# Altium PCB PCB1.PcbDoc (part 3 of 4)
Units mm, origin at the board's own origin, x right, y up, seen from the top; angles counter-clockwise.
Board outline 182 x 106 mm, 2 copper layers (Top Layer, Bottom Layer); 1027 components, 737 nets, 3417 pads, 0 vias.
Unrouted connection lines stored in the file: 2451.
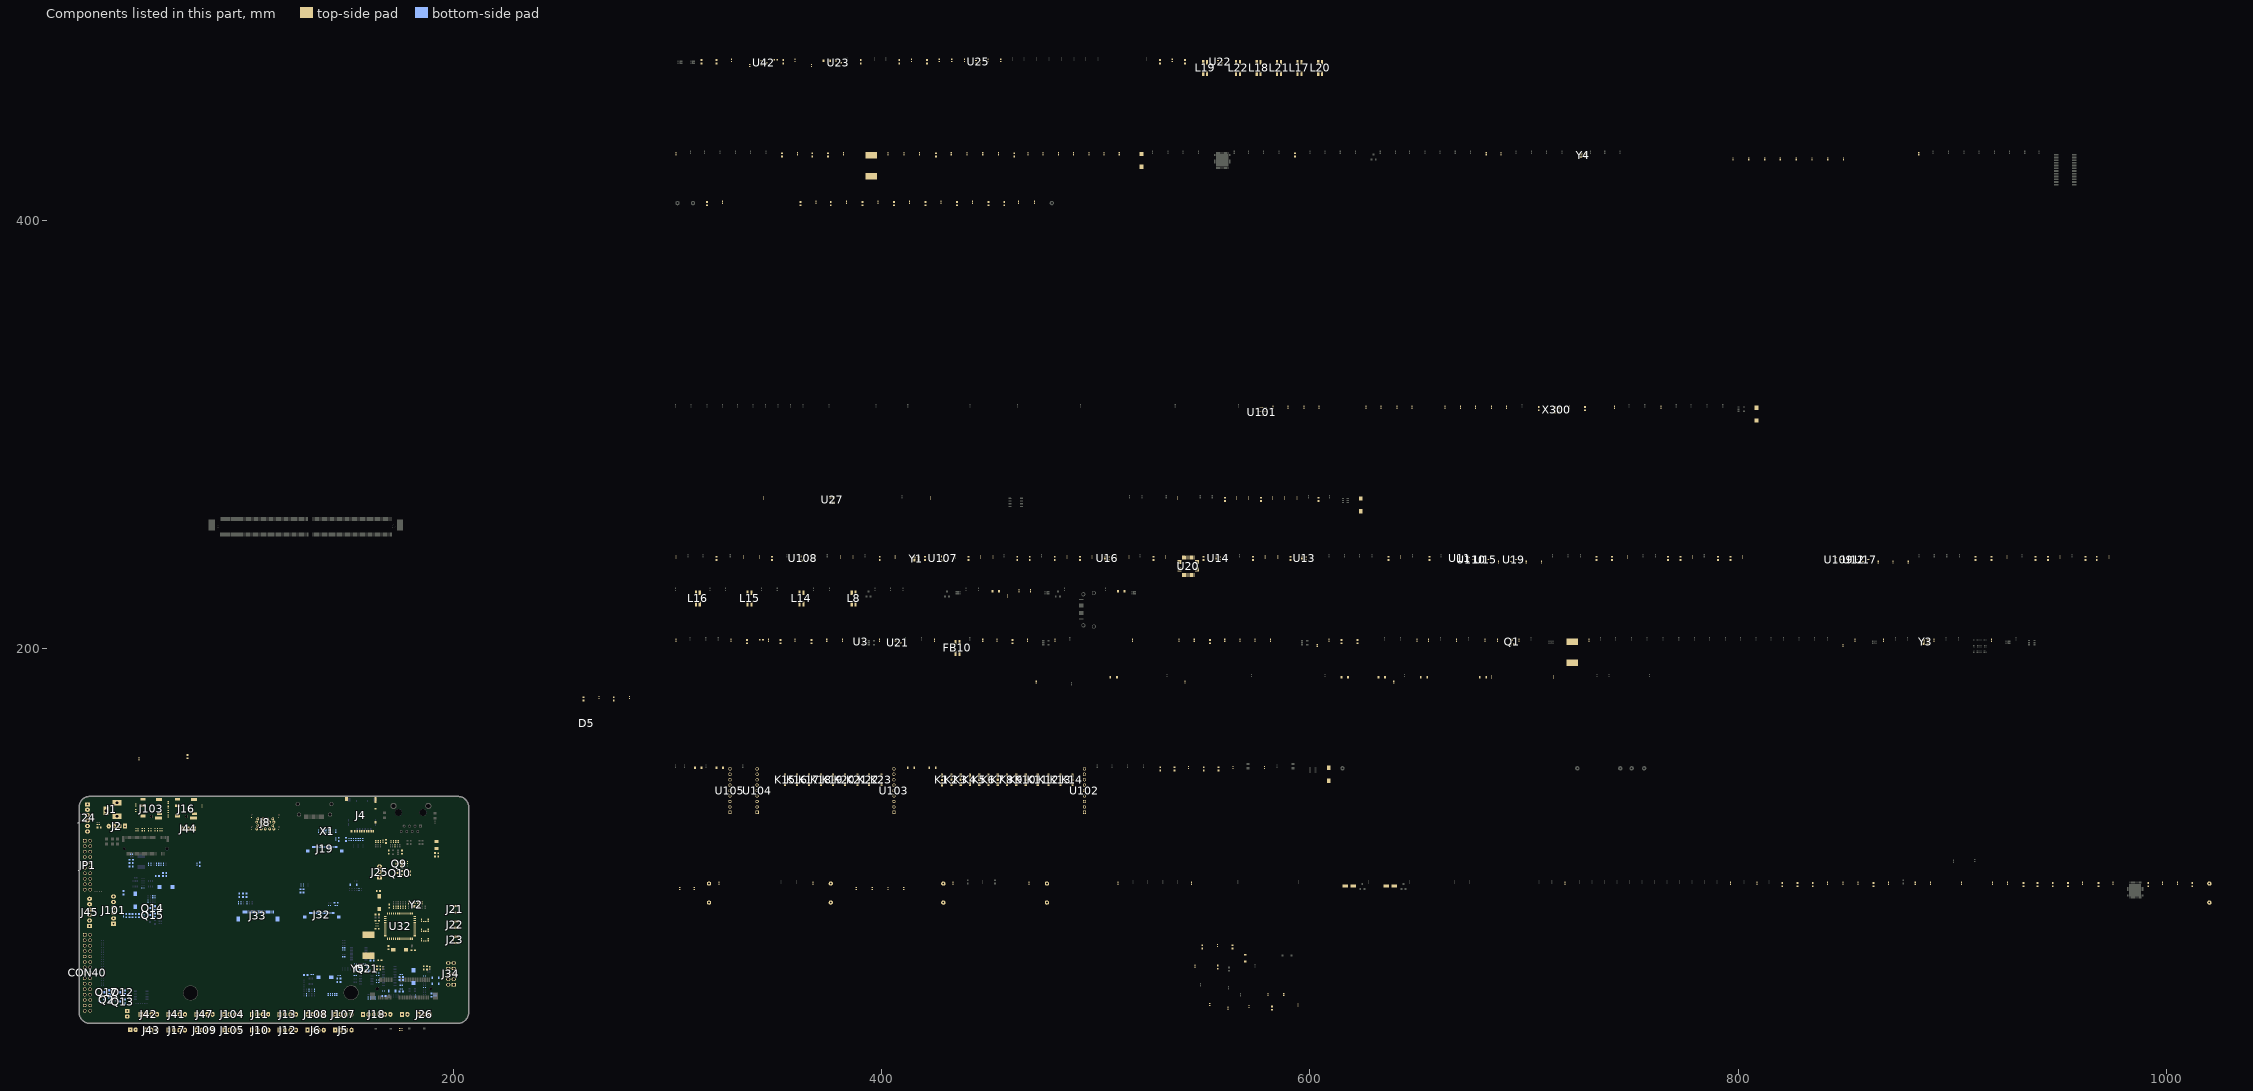
[diagram p3: the components of this part, seen from the top]

## Footprints (in the part's own frame and the unit in brackets; to place one, negate y for a bottom-side part, rotate by r counter-clockwise, add the part's x,y. Pads: shape width x height; smd on the part's side, far side on the other; paste and mask are expansions set on the pad) (continued)
*GCT_USB1100-XX-X_REVC [mm]
  round 1.3 hole 0.7: 1(-3.5,-1.5) 2(-1,-1.5) 3(1,-1.5) 4(3.5,-1.5) 5(4,0) 6(2,0) 7(0,0) 8(-2,0) 9(-4,0) 10(-3.5,1.7) 11(-1,1.7) 12(1,1.7) 13(3.5,1.7) 14(4,3.2) 15(2,3.2) 16(0,3.2) 17(-2,3.2) 18(-4,3.2)
  rect 0.1x0.1 smd: 19(6.477,-2.159) 20(6.35,3.429) 21(-6.35,-2.159) 22(-6.35,3.429)
  round 0.6 hole 0.6 unplated: None(-6.4,2.18) None(-6.4,-3.5) None(6.4,2.18) None(6.4,-3.5)
  Top Layer region: -6.7,2.18 -6.7,3.03 -6.7,3.038 -6.699,3.054 -6.698,3.069 -6.695,3.085 -6.692,3.1 -6.688,3.115 -6.683,3.13 -6.677,3.145 -6.671,3.159 -6.664,3.173 -6.656,3.187 -6.647,3.2 -6.638,3.213 -6.628,3.225 -6.618,3.237 -6.607,3.248 -6.595,3.258 -6.583,3.268 -6.57,3.277 -6.557,3.286 -6.543,3.294 -6.529,3.301 -6.515,3.307 -6.5,3.313 -6.485,3.318 -6.47,3.322 -6.455,3.325 -6.439,3.328 -6.424,3.329 -6.408,3.33 -6.4,3.33 -6.392,3.33 -6.376,3.329 -6.361,3.328 -6.345,3.325 -6.33,3.322 -6.315,3.318 -6.3,3.313 -6.285,3.307 -6.271,3.301 -6.257,3.294 -6.243,3.286 -6.23,3.277 -6.217,3.268 -6.205,3.258 -6.193,3.248 -6.182,3.237 -6.172,3.225 -6.162,3.213 -6.153,3.2 -6.144,3.187 -6.136,3.173 -6.129,3.159 -6.123,3.145 -6.117,3.13 -6.112,3.115 -6.108,3.1 -6.105,3.085 -6.102,3.069 -6.101,3.054 -6.1,3.038 -6.1,3.03 -6.1,2.18 -5.8,2.18 -5.8,2.98 -5.8,3.08 -5.8,3.096 -5.802,3.127 -5.805,3.158 -5.81,3.189 -5.816,3.22 -5.825,3.25 -5.834,3.28 -5.845,3.31 -5.858,3.338 -5.873,3.366 -5.888,3.394 -5.905,3.42 -5.924,3.445 -5.944,3.47 -5.965,3.493 -5.987,3.515 -6.01,3.536 -6.035,3.556 -6.06,3.575 -6.086,3.592 -6.114,3.607 -6.142,3.622 -6.17,3.635 -6.2,3.646 -6.23,3.655 -6.26,3.664 -6.291,3.67 -6.322,3.675 -6.353,3.678 -6.384,3.68 -6.4,3.68 -6.416,3.68 -6.447,3.678 -6.478,3.675 -6.509,3.67 -6.54,3.664 -6.57,3.655 -6.6,3.646 -6.63,3.635 -6.658,3.622 -6.686,3.607 -6.714,3.592 -6.74,3.575 -6.765,3.556 -6.79,3.536 -6.813,3.515 -6.835,3.493 -6.856,3.47 -6.876,3.445 -6.895,3.42 -6.912,3.394 -6.927,3.366 -6.942,3.338 -6.955,3.31 -6.966,3.28 -6.975,3.25 -6.984,3.22 -6.99,3.189 -6.995,3.158 -6.998,3.127 -7,3.096 -7,3.08 -7,2.18 -6.7,2.18
  Top Layer region: -6.1,2.18 -6.1,1.33 -6.1,1.322 -6.101,1.306 -6.102,1.291 -6.105,1.275 -6.108,1.26 -6.112,1.245 -6.117,1.23 -6.123,1.215 -6.129,1.201 -6.136,1.187 -6.144,1.173 -6.153,1.16 -6.162,1.147 -6.172,1.135 -6.182,1.123 -6.193,1.112 -6.205,1.102 -6.217,1.092 -6.23,1.083 -6.243,1.074 -6.257,1.066 -6.271,1.059 -6.285,1.053 -6.3,1.047 -6.315,1.042 -6.33,1.038 -6.345,1.035 -6.361,1.032 -6.376,1.031 -6.392,1.03 -6.4,1.03 -6.408,1.03 -6.424,1.031 -6.439,1.032 -6.455,1.035 -6.47,1.038 -6.485,1.042 -6.5,1.047 -6.515,1.053 -6.529,1.059 -6.543,1.066 -6.557,1.074 -6.57,1.083 -6.583,1.092 -6.595,1.102 -6.607,1.112 -6.618,1.123 -6.628,1.135 -6.638,1.147 -6.647,1.16 -6.656,1.173 -6.664,1.187 -6.671,1.201 -6.677,1.215 -6.683,1.23 -6.688,1.245 -6.692,1.26 -6.695,1.275 -6.698,1.291 -6.699,1.306 -6.7,1.322 -6.7,1.33 -6.7,2.18 -7,2.18 -7,1.38 -7,1.28 -7,1.264 -6.998,1.233 -6.995,1.202 -6.99,1.171 -6.984,1.14 -6.975,1.11 -6.966,1.08 -6.955,1.05 -6.942,1.022 -6.927,0.994 -6.912,0.966 -6.895,0.94 -6.876,0.915 -6.856,0.89 -6.835,0.867 -6.813,0.845 -6.79,0.824 -6.765,0.804 -6.74,0.785 -6.714,0.768 -6.686,0.753 -6.658,0.738 -6.63,0.725 -6.6,0.714 -6.57,0.705 -6.54,0.696 -6.509,0.69 -6.478,0.685 -6.447,0.682 -6.416,0.68 -6.4,0.68 -6.384,0.68 -6.353,0.682 -6.322,0.685 -6.291,0.69 -6.26,0.696 -6.23,0.705 -6.2,0.714 -6.17,0.725 -6.142,0.738 -6.114,0.753 -6.086,0.768 -6.06,0.785 -6.035,0.804 -6.01,0.824 -5.987,0.845 -5.965,0.867 -5.944,0.89 -5.924,0.915 -5.905,0.94 -5.888,0.966 -5.873,0.994 -5.858,1.022 -5.845,1.05 -5.834,1.08 -5.825,1.11 -5.816,1.14 -5.81,1.171 -5.805,1.202 -5.802,1.233 -5.8,1.264 -5.8,1.28 -5.8,2.18 -6.1,2.18
  Top Layer region: 6.1,2.18 6.1,3.03 6.1,3.038 6.101,3.054 6.102,3.069 6.105,3.085 6.108,3.1 6.112,3.115 6.117,3.13 6.123,3.145 6.129,3.159 6.136,3.173 6.144,3.187 6.153,3.2 6.162,3.213 6.172,3.225 6.182,3.237 6.193,3.248 6.205,3.258 6.217,3.268 6.23,3.277 6.243,3.286 6.257,3.294 6.271,3.301 6.285,3.307 6.3,3.313 6.315,3.318 6.33,3.322 6.345,3.325 6.361,3.328 6.376,3.329 6.392,3.33 6.4,3.33 6.408,3.33 6.424,3.329 6.439,3.328 6.455,3.325 6.47,3.322 6.485,3.318 6.5,3.313 6.515,3.307 6.529,3.301 6.543,3.294 6.557,3.286 6.57,3.277 6.583,3.268 6.595,3.258 6.607,3.248 6.618,3.237 6.628,3.225 6.638,3.213 6.647,3.2 6.656,3.187 6.664,3.173 6.671,3.159 6.677,3.145 6.683,3.13 6.688,3.115 6.692,3.1 6.695,3.085 6.698,3.069 6.699,3.054 6.7,3.038 6.7,3.03 6.7,2.18 7,2.18 7,2.98 7,3.08 7,3.096 6.998,3.127 6.995,3.158 6.99,3.189 6.984,3.22 6.975,3.25 6.966,3.28 6.955,3.31 6.942,3.338 6.927,3.366 6.912,3.394 6.895,3.42 6.876,3.445 6.856,3.47 6.835,3.493 6.813,3.515 6.79,3.536 6.765,3.556 6.74,3.575 6.714,3.592 6.686,3.607 6.658,3.622 6.63,3.635 6.6,3.646 6.57,3.655 6.54,3.664 6.509,3.67 6.478,3.675 6.447,3.678 6.416,3.68 6.4,3.68 6.384,3.68 6.353,3.678 6.322,3.675 6.291,3.67 6.26,3.664 6.23,3.655 6.2,3.646 6.17,3.635 6.142,3.622 6.114,3.607 6.086,3.592 6.06,3.575 6.035,3.556 6.01,3.536 5.987,3.515 5.965,3.493 5.944,3.47 5.924,3.445 5.905,3.42 5.888,3.394 5.873,3.366 5.858,3.338 5.845,3.31 5.834,3.28 5.825,3.25 5.816,3.22 5.81,3.189 5.805,3.158 5.802,3.127 5.8,3.096 5.8,3.08 5.8,2.18 6.1,2.18
  Top Layer region: 6.7,2.18 6.7,1.33 6.7,1.322 6.699,1.306 6.698,1.291 6.695,1.275 6.692,1.26 6.688,1.245 6.683,1.23 6.677,1.215 6.671,1.201 6.664,1.187 6.656,1.173 6.647,1.16 6.638,1.147 6.628,1.135 6.618,1.123 6.607,1.112 6.595,1.102 6.583,1.092 6.57,1.083 6.557,1.074 6.543,1.066 6.529,1.059 6.515,1.053 6.5,1.047 6.485,1.042 6.47,1.038 6.455,1.035 6.439,1.032 6.424,1.031 6.408,1.03 6.4,1.03 6.392,1.03 6.376,1.031 6.361,1.032 6.345,1.035 6.33,1.038 6.315,1.042 6.3,1.047 6.285,1.053 6.271,1.059 6.257,1.066 6.243,1.074 6.23,1.083 6.217,1.092 6.205,1.102 6.193,1.112 6.182,1.123 6.172,1.135 6.162,1.147 6.153,1.16 6.144,1.173 6.136,1.187 6.129,1.201 6.123,1.215 6.117,1.23 6.112,1.245 6.108,1.26 6.105,1.275 6.102,1.291 6.101,1.306 6.1,1.322 6.1,1.33 6.1,2.18 5.8,2.18 5.8,1.38 5.8,1.28 5.8,1.264 5.802,1.233 5.805,1.202 5.81,1.171 5.816,1.14 5.825,1.11 5.834,1.08 5.845,1.05 5.858,1.022 5.873,0.994 5.888,0.966 5.905,0.94 5.924,0.915 5.944,0.89 5.965,0.867 5.987,0.845 6.01,0.824 6.035,0.804 6.06,0.785 6.086,0.768 6.114,0.753 6.142,0.738 6.17,0.725 6.2,0.714 6.23,0.705 6.26,0.696 6.291,0.69 6.322,0.685 6.353,0.682 6.384,0.68 6.4,0.68 6.416,0.68 6.447,0.682 6.478,0.685 6.509,0.69 6.54,0.696 6.57,0.705 6.6,0.714 6.63,0.725 6.658,0.738 6.686,0.753 6.714,0.768 6.74,0.785 6.765,0.804 6.79,0.824 6.813,0.845 6.835,0.867 6.856,0.89 6.876,0.915 6.895,0.94 6.912,0.966 6.927,0.994 6.942,1.022 6.955,1.05 6.966,1.08 6.975,1.11 6.984,1.14 6.99,1.171 6.995,1.202 6.998,1.233 7,1.264 7,1.28 7,2.18 6.7,2.18
  Top Layer region: 6.1,-3.5 6.1,-2.65 6.1,-2.642 6.101,-2.626 6.102,-2.611 6.105,-2.595 6.108,-2.58 6.112,-2.565 6.117,-2.55 6.123,-2.535 6.129,-2.521 6.136,-2.507 6.144,-2.493 6.153,-2.48 6.162,-2.467 6.172,-2.455 6.182,-2.443 6.193,-2.432 6.205,-2.422 6.217,-2.412 6.23,-2.403 6.243,-2.394 6.257,-2.386 6.271,-2.379 6.285,-2.373 6.3,-2.367 6.315,-2.362 6.33,-2.358 6.345,-2.355 6.361,-2.352 6.376,-2.351 6.392,-2.35 6.4,-2.35 6.408,-2.35 6.424,-2.351 6.439,-2.352 6.455,-2.355 6.47,-2.358 6.485,-2.362 6.5,-2.367 6.515,-2.373 6.529,-2.379 6.543,-2.386 6.557,-2.394 6.57,-2.403 6.583,-2.412 6.595,-2.422 6.607,-2.432 6.618,-2.443 6.628,-2.455 6.638,-2.467 6.647,-2.48 6.656,-2.493 6.664,-2.507 6.671,-2.521 6.677,-2.535 6.683,-2.55 6.688,-2.565 6.692,-2.58 6.695,-2.595 6.698,-2.611 6.699,-2.626 6.7,-2.642 6.7,-2.65 6.7,-3.5 7,-3.5 7,-2.7 7,-2.6 7,-2.584 6.998,-2.553 6.995,-2.522 6.99,-2.491 6.984,-2.46 6.975,-2.43 6.966,-2.4 6.955,-2.37 6.942,-2.342 6.927,-2.314 6.912,-2.286 6.895,-2.26 6.876,-2.235 6.856,-2.21 6.835,-2.187 6.813,-2.165 6.79,-2.144 6.765,-2.124 6.74,-2.105 6.714,-2.088 6.686,-2.073 6.658,-2.058 6.63,-2.045 6.6,-2.034 6.57,-2.025 6.54,-2.016 6.509,-2.01 6.478,-2.005 6.447,-2.002 6.416,-2 6.4,-2 6.384,-2 6.353,-2.002 6.322,-2.005 6.291,-2.01 6.26,-2.016 6.23,-2.025 6.2,-2.034 6.17,-2.045 6.142,-2.058 6.114,-2.073 6.086,-2.088 6.06,-2.105 6.035,-2.124 6.01,-2.144 5.987,-2.165 5.965,-2.187 5.944,-2.21 5.924,-2.235 5.905,-2.26 5.888,-2.286 5.873,-2.314 5.858,-2.342 5.845,-2.37 5.834,-2.4 5.825,-2.43 5.816,-2.46 5.81,-2.491 5.805,-2.522 5.802,-2.553 5.8,-2.584 5.8,-2.6 5.8,-3.5 6.1,-3.5
  Top Layer region: 6.7,-3.5 6.7,-4.35 6.7,-4.358 6.699,-4.374 6.698,-4.389 6.695,-4.405 6.692,-4.42 6.688,-4.435 6.683,-4.45 6.677,-4.465 6.671,-4.479 6.664,-4.493 6.656,-4.507 6.647,-4.52 6.638,-4.533 6.628,-4.545 6.618,-4.557 6.607,-4.568 6.595,-4.578 6.583,-4.588 6.57,-4.597 6.557,-4.606 6.543,-4.614 6.529,-4.621 6.515,-4.627 6.5,-4.633 6.485,-4.638 6.47,-4.642 6.455,-4.645 6.439,-4.648 6.424,-4.649 6.408,-4.65 6.4,-4.65 6.392,-4.65 6.376,-4.649 6.361,-4.648 6.345,-4.645 6.33,-4.642 6.315,-4.638 6.3,-4.633 6.285,-4.627 6.271,-4.621 6.257,-4.614 6.243,-4.606 6.23,-4.597 6.217,-4.588 6.205,-4.578 6.193,-4.568 6.182,-4.557 6.172,-4.545 6.162,-4.533 6.153,-4.52 6.144,-4.507 6.136,-4.493 6.129,-4.479 6.123,-4.465 6.117,-4.45 6.112,-4.435 6.108,-4.42 6.105,-4.405 6.102,-4.389 6.101,-4.374 6.1,-4.358 6.1,-4.35 6.1,-3.5 5.8,-3.5 5.8,-4.3 5.8,-4.4 5.8,-4.416 5.802,-4.447 5.805,-4.478 5.81,-4.509 5.816,-4.54 5.825,-4.57 5.834,-4.6 5.845,-4.63 5.858,-4.658 5.873,-4.686 5.888,-4.714 5.905,-4.74 5.924,-4.765 5.944,-4.79 5.965,-4.813 5.987,-4.835 6.01,-4.856 6.035,-4.876 6.06,-4.895 6.086,-4.912 6.114,-4.927 6.142,-4.942 6.17,-4.955 6.2,-4.966 6.23,-4.975 6.26,-4.984 6.291,-4.99 6.322,-4.995 6.353,-4.998 6.384,-5 6.4,-5 6.416,-5 6.447,-4.998 6.478,-4.995 6.509,-4.99 6.54,-4.984 6.57,-4.975 6.6,-4.966 6.63,-4.955 6.658,-4.942 6.686,-4.927 6.714,-4.912 6.74,-4.895 6.765,-4.876 6.79,-4.856 6.813,-4.835 6.835,-4.813 6.856,-4.79 6.876,-4.765 6.895,-4.74 6.912,-4.714 6.927,-4.686 6.942,-4.658 6.955,-4.63 6.966,-4.6 6.975,-4.57 6.984,-4.54 6.99,-4.509 6.995,-4.478 6.998,-4.447 7,-4.416 7,-4.4 7,-3.5 6.7,-3.5
  Top Layer region: -6.7,-3.5 -6.7,-2.65 -6.7,-2.642 -6.699,-2.626 -6.698,-2.611 -6.695,-2.595 -6.692,-2.58 -6.688,-2.565 -6.683,-2.55 -6.677,-2.535 -6.671,-2.521 -6.664,-2.507 -6.656,-2.493 -6.647,-2.48 -6.638,-2.467 -6.628,-2.455 -6.618,-2.443 -6.607,-2.432 -6.595,-2.422 -6.583,-2.412 -6.57,-2.403 -6.557,-2.394 -6.543,-2.386 -6.529,-2.379 -6.515,-2.373 -6.5,-2.367 -6.485,-2.362 -6.47,-2.358 -6.455,-2.355 -6.439,-2.352 -6.424,-2.351 -6.408,-2.35 -6.4,-2.35 -6.392,-2.35 -6.376,-2.351 -6.361,-2.352 -6.345,-2.355 -6.33,-2.358 -6.315,-2.362 -6.3,-2.367 -6.285,-2.373 -6.271,-2.379 -6.257,-2.386 -6.243,-2.394 -6.23,-2.403 -6.217,-2.412 -6.205,-2.422 -6.193,-2.432 -6.182,-2.443 -6.172,-2.455 -6.162,-2.467 -6.153,-2.48 -6.144,-2.493 -6.136,-2.507 -6.129,-2.521 -6.123,-2.535 -6.117,-2.55 -6.112,-2.565 -6.108,-2.58 -6.105,-2.595 -6.102,-2.611 -6.101,-2.626 -6.1,-2.642 -6.1,-2.65 -6.1,-3.5 -5.8,-3.5 -5.8,-2.7 -5.8,-2.6 -5.8,-2.584 -5.802,-2.553 -5.805,-2.522 -5.81,-2.491 -5.816,-2.46 -5.825,-2.43 -5.834,-2.4 -5.845,-2.37 -5.858,-2.342 -5.873,-2.314 -5.888,-2.286 -5.905,-2.26 -5.924,-2.235 -5.944,-2.21 -5.965,-2.187 -5.987,-2.165 -6.01,-2.144 -6.035,-2.124 -6.06,-2.105 -6.086,-2.088 -6.114,-2.073 -6.142,-2.058 -6.17,-2.045 -6.2,-2.034 -6.23,-2.025 -6.26,-2.016 -6.291,-2.01 -6.322,-2.005 -6.353,-2.002 -6.384,-2 -6.4,-2 -6.416,-2 -6.447,-2.002 -6.478,-2.005 -6.509,-2.01 -6.54,-2.016 -6.57,-2.025 -6.6,-2.034 -6.63,-2.045 -6.658,-2.058 -6.686,-2.073 -6.714,-2.088 -6.74,-2.105 -6.765,-2.124 -6.79,-2.144 -6.813,-2.165 -6.835,-2.187 -6.856,-2.21 -6.876,-2.235 -6.895,-2.26 -6.912,-2.286 -6.927,-2.314 -6.942,-2.342 -6.955,-2.37 -6.966,-2.4 -6.975,-2.43 -6.984,-2.46 -6.99,-2.491 -6.995,-2.522 -6.998,-2.553 -7,-2.584 -7,-2.6 -7,-3.5 -6.7,-3.5
  Top Layer region: -6.1,-3.5 -6.1,-4.35 -6.1,-4.358 -6.101,-4.374 -6.102,-4.389 -6.105,-4.405 -6.108,-4.42 -6.112,-4.435 -6.117,-4.45 -6.123,-4.465 -6.129,-4.479 -6.136,-4.493 -6.144,-4.507 -6.153,-4.52 -6.162,-4.533 -6.172,-4.545 -6.182,-4.557 -6.193,-4.568 -6.205,-4.578 -6.217,-4.588 -6.23,-4.597 -6.243,-4.606 -6.257,-4.614 -6.271,-4.621 -6.285,-4.627 -6.3,-4.633 -6.315,-4.638 -6.33,-4.642 -6.345,-4.645 -6.361,-4.648 -6.376,-4.649 -6.392,-4.65 -6.4,-4.65 -6.408,-4.65 -6.424,-4.649 -6.439,-4.648 -6.455,-4.645 -6.47,-4.642 -6.485,-4.638 -6.5,-4.633 -6.515,-4.627 -6.529,-4.621 -6.543,-4.614 -6.557,-4.606 -6.57,-4.597 -6.583,-4.588 -6.595,-4.578 -6.607,-4.568 -6.618,-4.557 -6.628,-4.545 -6.638,-4.533 -6.647,-4.52 -6.656,-4.507 -6.664,-4.493 -6.671,-4.479 -6.677,-4.465 -6.683,-4.45 -6.688,-4.435 -6.692,-4.42 -6.695,-4.405 -6.698,-4.389 -6.699,-4.374 -6.7,-4.358 -6.7,-4.35 -6.7,-3.5 -7,-3.5 -7,-4.3 -7,-4.4 -7,-4.416 -6.998,-4.447 -6.995,-4.478 -6.99,-4.509 -6.984,-4.54 -6.975,-4.57 -6.966,-4.6 -6.955,-4.63 -6.942,-4.658 -6.927,-4.686 -6.912,-4.714 -6.895,-4.74 -6.876,-4.765 -6.856,-4.79 -6.835,-4.813 -6.813,-4.835 -6.79,-4.856 -6.765,-4.876 -6.74,-4.895 -6.714,-4.912 -6.686,-4.927 -6.658,-4.942 -6.63,-4.955 -6.6,-4.966 -6.57,-4.975 -6.54,-4.984 -6.509,-4.99 -6.478,-4.995 -6.447,-4.998 -6.416,-5 -6.4,-5 -6.384,-5 -6.353,-4.998 -6.322,-4.995 -6.291,-4.99 -6.26,-4.984 -6.23,-4.975 -6.2,-4.966 -6.17,-4.955 -6.142,-4.942 -6.114,-4.927 -6.086,-4.912 -6.06,-4.895 -6.035,-4.876 -6.01,-4.856 -5.987,-4.835 -5.965,-4.813 -5.944,-4.79 -5.924,-4.765 -5.905,-4.74 -5.888,-4.714 -5.873,-4.686 -5.858,-4.658 -5.845,-4.63 -5.834,-4.6 -5.825,-4.57 -5.816,-4.54 -5.81,-4.509 -5.805,-4.478 -5.802,-4.447 -5.8,-4.416 -5.8,-4.4 -5.8,-3.5 -6.1,-3.5
  Bottom Layer region: -6.7,2.18 -6.7,3.03 -6.7,3.038 -6.699,3.054 -6.698,3.069 -6.695,3.085 -6.692,3.1 -6.688,3.115 -6.683,3.13 -6.677,3.145 -6.671,3.159 -6.664,3.173 -6.656,3.187 -6.647,3.2 -6.638,3.213 -6.628,3.225 -6.618,3.237 -6.607,3.248 -6.595,3.258 -6.583,3.268 -6.57,3.277 -6.557,3.286 -6.543,3.294 -6.529,3.301 -6.515,3.307 -6.5,3.313 -6.485,3.318 -6.47,3.322 -6.455,3.325 -6.439,3.328 -6.424,3.329 -6.408,3.33 -6.4,3.33 -6.392,3.33 -6.376,3.329 -6.361,3.328 -6.345,3.325 -6.33,3.322 -6.315,3.318 -6.3,3.313 -6.285,3.307 -6.271,3.301 -6.257,3.294 -6.243,3.286 -6.23,3.277 -6.217,3.268 -6.205,3.258 -6.193,3.248 -6.182,3.237 -6.172,3.225 -6.162,3.213 -6.153,3.2 -6.144,3.187 -6.136,3.173 -6.129,3.159 -6.123,3.145 -6.117,3.13 -6.112,3.115 -6.108,3.1 -6.105,3.085 -6.102,3.069 -6.101,3.054 -6.1,3.038 -6.1,3.03 -6.1,2.18 -5.8,2.18 -5.8,2.98 -5.8,3.08 -5.8,3.096 -5.802,3.127 -5.805,3.158 -5.81,3.189 -5.816,3.22 -5.825,3.25 -5.834,3.28 -5.845,3.31 -5.858,3.338 -5.873,3.366 -5.888,3.394 -5.905,3.42 -5.924,3.445 -5.944,3.47 -5.965,3.493 -5.987,3.515 -6.01,3.536 -6.035,3.556 -6.06,3.575 -6.086,3.592 -6.114,3.607 -6.142,3.622 -6.17,3.635 -6.2,3.646 -6.23,3.655 -6.26,3.664 -6.291,3.67 -6.322,3.675 -6.353,3.678 -6.384,3.68 -6.4,3.68 -6.416,3.68 -6.447,3.678 -6.478,3.675 -6.509,3.67 -6.54,3.664 -6.57,3.655 -6.6,3.646 -6.63,3.635 -6.658,3.622 -6.686,3.607 -6.714,3.592 -6.74,3.575 -6.765,3.556 -6.79,3.536 -6.813,3.515 -6.835,3.493 -6.856,3.47 -6.876,3.445 -6.895,3.42 -6.912,3.394 -6.927,3.366 -6.942,3.338 -6.955,3.31 -6.966,3.28 -6.975,3.25 -6.984,3.22 -6.99,3.189 -6.995,3.158 -6.998,3.127 -7,3.096 -7,3.08 -7,2.18 -6.7,2.18
  Bottom Layer region: -6.1,2.18 -6.1,1.33 -6.1,1.322 -6.101,1.306 -6.102,1.291 -6.105,1.275 -6.108,1.26 -6.112,1.245 -6.117,1.23 -6.123,1.215 -6.129,1.201 -6.136,1.187 -6.144,1.173 -6.153,1.16 -6.162,1.147 -6.172,1.135 -6.182,1.123 -6.193,1.112 -6.205,1.102 -6.217,1.092 -6.23,1.083 -6.243,1.074 -6.257,1.066 -6.271,1.059 -6.285,1.053 -6.3,1.047 -6.315,1.042 -6.33,1.038 -6.345,1.035 -6.361,1.032 -6.376,1.031 -6.392,1.03 -6.4,1.03 -6.408,1.03 -6.424,1.031 -6.439,1.032 -6.455,1.035 -6.47,1.038 -6.485,1.042 -6.5,1.047 -6.515,1.053 -6.529,1.059 -6.543,1.066 -6.557,1.074 -6.57,1.083 -6.583,1.092 -6.595,1.102 -6.607,1.112 -6.618,1.123 -6.628,1.135 -6.638,1.147 -6.647,1.16 -6.656,1.173 -6.664,1.187 -6.671,1.201 -6.677,1.215 -6.683,1.23 -6.688,1.245 -6.692,1.26 -6.695,1.275 -6.698,1.291 -6.699,1.306 -6.7,1.322 -6.7,1.33 -6.7,2.18 -7,2.18 -7,1.38 -7,1.28 -7,1.264 -6.998,1.233 -6.995,1.202 -6.99,1.171 -6.984,1.14 -6.975,1.11 -6.966,1.08 -6.955,1.05 -6.942,1.022 -6.927,0.994 -6.912,0.966 -6.895,0.94 -6.876,0.915 -6.856,0.89 -6.835,0.867 -6.813,0.845 -6.79,0.824 -6.765,0.804 -6.74,0.785 -6.714,0.768 -6.686,0.753 -6.658,0.738 -6.63,0.725 -6.6,0.714 -6.57,0.705 -6.54,0.696 -6.509,0.69 -6.478,0.685 -6.447,0.682 -6.416,0.68 -6.4,0.68 -6.384,0.68 -6.353,0.682 -6.322,0.685 -6.291,0.69 -6.26,0.696 -6.23,0.705 -6.2,0.714 -6.17,0.725 -6.142,0.738 -6.114,0.753 -6.086,0.768 -6.06,0.785 -6.035,0.804 -6.01,0.824 -5.987,0.845 -5.965,0.867 -5.944,0.89 -5.924,0.915 -5.905,0.94 -5.888,0.966 -5.873,0.994 -5.858,1.022 -5.845,1.05 -5.834,1.08 -5.825,1.11 -5.816,1.14 -5.81,1.171 -5.805,1.202 -5.802,1.233 -5.8,1.264 -5.8,1.28 -5.8,2.18 -6.1,2.18
  Bottom Layer region: 6.1,2.18 6.1,3.03 6.1,3.038 6.101,3.054 6.102,3.069 6.105,3.085 6.108,3.1 6.112,3.115 6.117,3.13 6.123,3.145 6.129,3.159 6.136,3.173 6.144,3.187 6.153,3.2 6.162,3.213 6.172,3.225 6.182,3.237 6.193,3.248 6.205,3.258 6.217,3.268 6.23,3.277 6.243,3.286 6.257,3.294 6.271,3.301 6.285,3.307 6.3,3.313 6.315,3.318 6.33,3.322 6.345,3.325 6.361,3.328 6.376,3.329 6.392,3.33 6.4,3.33 6.408,3.33 6.424,3.329 6.439,3.328 6.455,3.325 6.47,3.322 6.485,3.318 6.5,3.313 6.515,3.307 6.529,3.301 6.543,3.294 6.557,3.286 6.57,3.277 6.583,3.268 6.595,3.258 6.607,3.248 6.618,3.237 6.628,3.225 6.638,3.213 6.647,3.2 6.656,3.187 6.664,3.173 6.671,3.159 6.677,3.145 6.683,3.13 6.688,3.115 6.692,3.1 6.695,3.085 6.698,3.069 6.699,3.054 6.7,3.038 6.7,3.03 6.7,2.18 7,2.18 7,2.98 7,3.08 7,3.096 6.998,3.127 6.995,3.158 6.99,3.189 6.984,3.22 6.975,3.25 6.966,3.28 6.955,3.31 6.942,3.338 6.927,3.366 6.912,3.394 6.895,3.42 6.876,3.445 6.856,3.47 6.835,3.493 6.813,3.515 6.79,3.536 6.765,3.556 6.74,3.575 6.714,3.592 6.686,3.607 6.658,3.622 6.63,3.635 6.6,3.646 6.57,3.655 6.54,3.664 6.509,3.67 6.478,3.675 6.447,3.678 6.416,3.68 6.4,3.68 6.384,3.68 6.353,3.678 6.322,3.675 6.291,3.67 6.26,3.664 6.23,3.655 6.2,3.646 6.17,3.635 6.142,3.622 6.114,3.607 6.086,3.592 6.06,3.575 6.035,3.556 6.01,3.536 5.987,3.515 5.965,3.493 5.944,3.47 5.924,3.445 5.905,3.42 5.888,3.394 5.873,3.366 5.858,3.338 5.845,3.31 5.834,3.28 5.825,3.25 5.816,3.22 5.81,3.189 5.805,3.158 5.802,3.127 5.8,3.096 5.8,3.08 5.8,2.18 6.1,2.18
  Bottom Layer region: 6.7,2.18 6.7,1.33 6.7,1.322 6.699,1.306 6.698,1.291 6.695,1.275 6.692,1.26 6.688,1.245 6.683,1.23 6.677,1.215 6.671,1.201 6.664,1.187 6.656,1.173 6.647,1.16 6.638,1.147 6.628,1.135 6.618,1.123 6.607,1.112 6.595,1.102 6.583,1.092 6.57,1.083 6.557,1.074 6.543,1.066 6.529,1.059 6.515,1.053 6.5,1.047 6.485,1.042 6.47,1.038 6.455,1.035 6.439,1.032 6.424,1.031 6.408,1.03 6.4,1.03 6.392,1.03 6.376,1.031 6.361,1.032 6.345,1.035 6.33,1.038 6.315,1.042 6.3,1.047 6.285,1.053 6.271,1.059 6.257,1.066 6.243,1.074 6.23,1.083 6.217,1.092 6.205,1.102 6.193,1.112 6.182,1.123 6.172,1.135 6.162,1.147 6.153,1.16 6.144,1.173 6.136,1.187 6.129,1.201 6.123,1.215 6.117,1.23 6.112,1.245 6.108,1.26 6.105,1.275 6.102,1.291 6.101,1.306 6.1,1.322 6.1,1.33 6.1,2.18 5.8,2.18 5.8,1.38 5.8,1.28 5.8,1.264 5.802,1.233 5.805,1.202 5.81,1.171 5.816,1.14 5.825,1.11 5.834,1.08 5.845,1.05 5.858,1.022 5.873,0.994 5.888,0.966 5.905,0.94 5.924,0.915 5.944,0.89 5.965,0.867 5.987,0.845 6.01,0.824 6.035,0.804 6.06,0.785 6.086,0.768 6.114,0.753 6.142,0.738 6.17,0.725 6.2,0.714 6.23,0.705 6.26,0.696 6.291,0.69 6.322,0.685 6.353,0.682 6.384,0.68 6.4,0.68 6.416,0.68 6.447,0.682 6.478,0.685 6.509,0.69 6.54,0.696 6.57,0.705 6.6,0.714 6.63,0.725 6.658,0.738 6.686,0.753 6.714,0.768 6.74,0.785 6.765,0.804 6.79,0.824 6.813,0.845 6.835,0.867 6.856,0.89 6.876,0.915 6.895,0.94 6.912,0.966 6.927,0.994 6.942,1.022 6.955,1.05 6.966,1.08 6.975,1.11 6.984,1.14 6.99,1.171 6.995,1.202 6.998,1.233 7,1.264 7,1.28 7,2.18 6.7,2.18
  Bottom Layer region: 6.1,-3.5 6.1,-2.65 6.1,-2.642 6.101,-2.626 6.102,-2.611 6.105,-2.595 6.108,-2.58 6.112,-2.565 6.117,-2.55 6.123,-2.535 6.129,-2.521 6.136,-2.507 6.144,-2.493 6.153,-2.48 6.162,-2.467 6.172,-2.455 6.182,-2.443 6.193,-2.432 6.205,-2.422 6.217,-2.412 6.23,-2.403 6.243,-2.394 6.257,-2.386 6.271,-2.379 6.285,-2.373 6.3,-2.367 6.315,-2.362 6.33,-2.358 6.345,-2.355 6.361,-2.352 6.376,-2.351 6.392,-2.35 6.4,-2.35 6.408,-2.35 6.424,-2.351 6.439,-2.352 6.455,-2.355 6.47,-2.358 6.485,-2.362 6.5,-2.367 6.515,-2.373 6.529,-2.379 6.543,-2.386 6.557,-2.394 6.57,-2.403 6.583,-2.412 6.595,-2.422 6.607,-2.432 6.618,-2.443 6.628,-2.455 6.638,-2.467 6.647,-2.48 6.656,-2.493 6.664,-2.507 6.671,-2.521 6.677,-2.535 6.683,-2.55 6.688,-2.565 6.692,-2.58 6.695,-2.595 6.698,-2.611 6.699,-2.626 6.7,-2.642 6.7,-2.65 6.7,-3.5 7,-3.5 7,-2.7 7,-2.6 7,-2.584 6.998,-2.553 6.995,-2.522 6.99,-2.491 6.984,-2.46 6.975,-2.43 6.966,-2.4 6.955,-2.37 6.942,-2.342 6.927,-2.314 6.912,-2.286 6.895,-2.26 6.876,-2.235 6.856,-2.21 6.835,-2.187 6.813,-2.165 6.79,-2.144 6.765,-2.124 6.74,-2.105 6.714,-2.088 6.686,-2.073 6.658,-2.058 6.63,-2.045 6.6,-2.034 6.57,-2.025 6.54,-2.016 6.509,-2.01 6.478,-2.005 6.447,-2.002 6.416,-2 6.4,-2 6.384,-2 6.353,-2.002 6.322,-2.005 6.291,-2.01 6.26,-2.016 6.23,-2.025 6.2,-2.034 6.17,-2.045 6.142,-2.058 6.114,-2.073 6.086,-2.088 6.06,-2.105 6.035,-2.124 6.01,-2.144 5.987,-2.165 5.965,-2.187 5.944,-2.21 5.924,-2.235 5.905,-2.26 5.888,-2.286 5.873,-2.314 5.858,-2.342 5.845,-2.37 5.834,-2.4 5.825,-2.43 5.816,-2.46 5.81,-2.491 5.805,-2.522 5.802,-2.553 5.8,-2.584 5.8,-2.6 5.8,-3.5 6.1,-3.5
  Bottom Layer region: 6.7,-3.5 6.7,-4.35 6.7,-4.358 6.699,-4.374 6.698,-4.389 6.695,-4.405 6.692,-4.42 6.688,-4.435 6.683,-4.45 6.677,-4.465 6.671,-4.479 6.664,-4.493 6.656,-4.507 6.647,-4.52 6.638,-4.533 6.628,-4.545 6.618,-4.557 6.607,-4.568 6.595,-4.578 6.583,-4.588 6.57,-4.597 6.557,-4.606 6.543,-4.614 6.529,-4.621 6.515,-4.627 6.5,-4.633 6.485,-4.638 6.47,-4.642 6.455,-4.645 6.439,-4.648 6.424,-4.649 6.408,-4.65 6.4,-4.65 6.392,-4.65 6.376,-4.649 6.361,-4.648 6.345,-4.645 6.33,-4.642 6.315,-4.638 6.3,-4.633 6.285,-4.627 6.271,-4.621 6.257,-4.614 6.243,-4.606 6.23,-4.597 6.217,-4.588 6.205,-4.578 6.193,-4.568 6.182,-4.557 6.172,-4.545 6.162,-4.533 6.153,-4.52 6.144,-4.507 6.136,-4.493 6.129,-4.479 6.123,-4.465 6.117,-4.45 6.112,-4.435 6.108,-4.42 6.105,-4.405 6.102,-4.389 6.101,-4.374 6.1,-4.358 6.1,-4.35 6.1,-3.5 5.8,-3.5 5.8,-4.3 5.8,-4.4 5.8,-4.416 5.802,-4.447 5.805,-4.478 5.81,-4.509 5.816,-4.54 5.825,-4.57 5.834,-4.6 5.845,-4.63 5.858,-4.658 5.873,-4.686 5.888,-4.714 5.905,-4.74 5.924,-4.765 5.944,-4.79 5.965,-4.813 5.987,-4.835 6.01,-4.856 6.035,-4.876 6.06,-4.895 6.086,-4.912 6.114,-4.927 6.142,-4.942 6.17,-4.955 6.2,-4.966 6.23,-4.975 6.26,-4.984 6.291,-4.99 6.322,-4.995 6.353,-4.998 6.384,-5 6.4,-5 6.416,-5 6.447,-4.998 6.478,-4.995 6.509,-4.99 6.54,-4.984 6.57,-4.975 6.6,-4.966 6.63,-4.955 6.658,-4.942 6.686,-4.927 6.714,-4.912 6.74,-4.895 6.765,-4.876 6.79,-4.856 6.813,-4.835 6.835,-4.813 6.856,-4.79 6.876,-4.765 6.895,-4.74 6.912,-4.714 6.927,-4.686 6.942,-4.658 6.955,-4.63 6.966,-4.6 6.975,-4.57 6.984,-4.54 6.99,-4.509 6.995,-4.478 6.998,-4.447 7,-4.416 7,-4.4 7,-3.5 6.7,-3.5
  Bottom Layer region: -6.7,-3.5 -6.7,-2.65 -6.7,-2.642 -6.699,-2.626 -6.698,-2.611 -6.695,-2.595 -6.692,-2.58 -6.688,-2.565 -6.683,-2.55 -6.677,-2.535 -6.671,-2.521 -6.664,-2.507 -6.656,-2.493 -6.647,-2.48 -6.638,-2.467 -6.628,-2.455 -6.618,-2.443 -6.607,-2.432 -6.595,-2.422 -6.583,-2.412 -6.57,-2.403 -6.557,-2.394 -6.543,-2.386 -6.529,-2.379 -6.515,-2.373 -6.5,-2.367 -6.485,-2.362 -6.47,-2.358 -6.455,-2.355 -6.439,-2.352 -6.424,-2.351 -6.408,-2.35 -6.4,-2.35 -6.392,-2.35 -6.376,-2.351 -6.361,-2.352 -6.345,-2.355 -6.33,-2.358 -6.315,-2.362 -6.3,-2.367 -6.285,-2.373 -6.271,-2.379 -6.257,-2.386 -6.243,-2.394 -6.23,-2.403 -6.217,-2.412 -6.205,-2.422 -6.193,-2.432 -6.182,-2.443 -6.172,-2.455 -6.162,-2.467 -6.153,-2.48 -6.144,-2.493 -6.136,-2.507 -6.129,-2.521 -6.123,-2.535 -6.117,-2.55 -6.112,-2.565 -6.108,-2.58 -6.105,-2.595 -6.102,-2.611 -6.101,-2.626 -6.1,-2.642 -6.1,-2.65 -6.1,-3.5 -5.8,-3.5 -5.8,-2.7 -5.8,-2.6 -5.8,-2.584 -5.802,-2.553 -5.805,-2.522 -5.81,-2.491 -5.816,-2.46 -5.825,-2.43 -5.834,-2.4 -5.845,-2.37 -5.858,-2.342 -5.873,-2.314 -5.888,-2.286 -5.905,-2.26 -5.924,-2.235 -5.944,-2.21 -5.965,-2.187 -5.987,-2.165 -6.01,-2.144 -6.035,-2.124 -6.06,-2.105 -6.086,-2.088 -6.114,-2.073 -6.142,-2.058 -6.17,-2.045 -6.2,-2.034 -6.23,-2.025 -6.26,-2.016 -6.291,-2.01 -6.322,-2.005 -6.353,-2.002 -6.384,-2 -6.4,-2 -6.416,-2 -6.447,-2.002 -6.478,-2.005 -6.509,-2.01 -6.54,-2.016 -6.57,-2.025 -6.6,-2.034 -6.63,-2.045 -6.658,-2.058 -6.686,-2.073 -6.714,-2.088 -6.74,-2.105 -6.765,-2.124 -6.79,-2.144 -6.813,-2.165 -6.835,-2.187 -6.856,-2.21 -6.876,-2.235 -6.895,-2.26 -6.912,-2.286 -6.927,-2.314 -6.942,-2.342 -6.955,-2.37 -6.966,-2.4 -6.975,-2.43 -6.984,-2.46 -6.99,-2.491 -6.995,-2.522 -6.998,-2.553 -7,-2.584 -7,-2.6 -7,-3.5 -6.7,-3.5
  Bottom Layer region: -6.1,-3.5 -6.1,-4.35 -6.1,-4.358 -6.101,-4.374 -6.102,-4.389 -6.105,-4.405 -6.108,-4.42 -6.112,-4.435 -6.117,-4.45 -6.123,-4.465 -6.129,-4.479 -6.136,-4.493 -6.144,-4.507 -6.153,-4.52 -6.162,-4.533 -6.172,-4.545 -6.182,-4.557 -6.193,-4.568 -6.205,-4.578 -6.217,-4.588 -6.23,-4.597 -6.243,-4.606 -6.257,-4.614 -6.271,-4.621 -6.285,-4.627 -6.3,-4.633 -6.315,-4.638 -6.33,-4.642 -6.345,-4.645 -6.361,-4.648 -6.376,-4.649 -6.392,-4.65 -6.4,-4.65 -6.408,-4.65 -6.424,-4.649 -6.439,-4.648 -6.455,-4.645 -6.47,-4.642 -6.485,-4.638 -6.5,-4.633 -6.515,-4.627 -6.529,-4.621 -6.543,-4.614 -6.557,-4.606 -6.57,-4.597 -6.583,-4.588 -6.595,-4.578 -6.607,-4.568 -6.618,-4.557 -6.628,-4.545 -6.638,-4.533 -6.647,-4.52 -6.656,-4.507 -6.664,-4.493 -6.671,-4.479 -6.677,-4.465 -6.683,-4.45 -6.688,-4.435 -6.692,-4.42 -6.695,-4.405 -6.698,-4.389 -6.699,-4.374 -6.7,-4.358 -6.7,-4.35 -6.7,-3.5 -7,-3.5 -7,-4.3 -7,-4.4 -7,-4.416 -6.998,-4.447 -6.995,-4.478 -6.99,-4.509 -6.984,-4.54 -6.975,-4.57 -6.966,-4.6 -6.955,-4.63 -6.942,-4.658 -6.927,-4.686 -6.912,-4.714 -6.895,-4.74 -6.876,-4.765 -6.856,-4.79 -6.835,-4.813 -6.813,-4.835 -6.79,-4.856 -6.765,-4.876 -6.74,-4.895 -6.714,-4.912 -6.686,-4.927 -6.658,-4.942 -6.63,-4.955 -6.6,-4.966 -6.57,-4.975 -6.54,-4.984 -6.509,-4.99 -6.478,-4.995 -6.447,-4.998 -6.416,-5 -6.4,-5 -6.384,-5 -6.353,-4.998 -6.322,-4.995 -6.291,-4.99 -6.26,-4.984 -6.23,-4.975 -6.2,-4.966 -6.17,-4.955 -6.142,-4.942 -6.114,-4.927 -6.086,-4.912 -6.06,-4.895 -6.035,-4.876 -6.01,-4.856 -5.987,-4.835 -5.965,-4.813 -5.944,-4.79 -5.924,-4.765 -5.905,-4.74 -5.888,-4.714 -5.873,-4.686 -5.858,-4.658 -5.845,-4.63 -5.834,-4.6 -5.825,-4.57 -5.816,-4.54 -5.81,-4.509 -5.805,-4.478 -5.802,-4.447 -5.8,-4.416 -5.8,-4.4 -5.8,-3.5 -6.1,-3.5
  silkscreen extent -7.49,-15.24 7.49,-1.32
*HRS_DM3AT-SF-PEJM5_DM3AT-SF-PEJM5(Primary) [mm]
  rect 0.7x1.2 smd: 1(3.2,0) 2(2.1,0) 3(1,0) 4(-0.1,0) 5(-1.2,0) 6(-2.3,0) 7(-3.4,0) 8(-4.5,0) SWB(-5.45,0)
  rect 1x1.2 smd: P1(-6.4,-4.3) P4(4.75,0)
  rect 1x2.8 smd: P2(-6.4,-14.65)
  rect 1.3x1.9 smd: P3(7.1,-15.1)
  rect 1x0.8 smd: SWA(-6.4,-10.5)
  Keep-Out Layer region: -6.813,-0.45 -6.05,-0.45 -6.05,-3.707 -6.813,-3.707
  Keep-Out Layer region: -6.804,-4.9 -6.05,-4.9 -6.05,-8.505 -6.804,-8.505
  Keep-Out Layer region: -5.706,-6.3 -5,-6.3 -5,-13.915 -5.706,-13.915
  Keep-Out Layer region: -5.003,-5 3.7,-5 3.7,-6.604 -5.003,-6.604
  Keep-Out Layer region: 3.351,-14.7 5.9,-14.7 5.9,-16.057 3.351,-16.057
  Keep-Out Layer region: -6.813,-0.45 -6.05,-0.45 -6.05,-3.707 -6.813,-3.707
  Keep-Out Layer region: -6.804,-4.9 -6.05,-4.9 -6.05,-8.505 -6.804,-8.505
  Keep-Out Layer region: -5.706,-6.3 -5,-6.3 -5,-13.915 -5.706,-13.915
  Keep-Out Layer region: -5.003,-5 3.7,-5 3.7,-6.604 -5.003,-6.604
  Keep-Out Layer region: 3.351,-14.7 5.9,-14.7 5.9,-16.057 3.351,-16.057
  Keep-Out Layer region: -6.813,-0.45 -6.05,-0.45 -6.05,-3.707 -6.813,-3.707
  Keep-Out Layer region: -6.804,-4.9 -6.05,-4.9 -6.05,-8.505 -6.804,-8.505
  Keep-Out Layer region: -5.706,-6.3 -5,-6.3 -5,-13.915 -5.706,-13.915
  Keep-Out Layer region: -5.003,-5 3.7,-5 3.7,-6.604 -5.003,-6.604
  Keep-Out Layer region: 3.351,-14.7 5.9,-14.7 5.9,-16.057 3.351,-16.057
  silkscreen extent -6.5,-21.3 7.35,1.75
*SOT-23 [mil]
  rect 40x45 smd: 1(-35,-40) 2(35,-40) 3(0,40)
  silkscreen extent -58,-10 58,25
*SSOT6 [mm]
  rect 0.7x1 smd: 1(-0.95,-1.3) 2(0,-1.3) 3(0.95,-1.3) 4(0.95,1.3) 5(0,1.3) 6(-0.95,1.3)
  silkscreen extent -1.98,-1.03 1.5,0.85
*SSOT-3 [mm]
  rect 1x1.4 smd: 1(-0.95,-1.1) 2(0.95,-1.1) 3(0,1.1)
  silkscreen extent -1.42,-0.15 1.42,0.66
*SUNTECH_ST-PJ-312_ST-PJ-312(Primary) [mil]
  rect 50x90 smd: COM1(120,155) L(-145,-155) R(0,155) RS(-185,155)
  rect 50x110 smd: COM2(115,-145)
  rect 50x130 smd: LS(-225,-135)
  round 50 hole 50 unplated: None(-195,0)
  silkscreen extent -251,-126 300,126
AP6356S [mm]
  rect 0.5x1.125 smd: 1(4.5,6.9) 2(3.6,6.9) 3(2.7,6.9) 4(1.8,6.9) 5(0.9,6.9) 6(0,6.9) 7(-0.9,6.9) 8(-1.8,6.9) 9(-2.7,6.9) 10(-3.6,6.9) 11(-4.5,6.9) 26(-4.5,-6.9) 27(-3.6,-6.9) 28(-2.7,-6.9) 29(-1.8,-6.9) 30(-0.9,-6.9) 31(0,-6.9) 32(0.9,-6.9) 33(1.8,-6.9) 34(2.7,-6.9) 35(3.6,-6.9) 36(4.5,-6.9)
  rect 1.125x0.5 smd: 12(-5.9,5.85) 13(-5.9,4.95) 14(-5.9,4.05) 15(-5.9,3.15) 16(-5.9,2.25) 17(-5.9,1.35) 18(-5.9,0.45) 19(-5.9,-0.45) 20(-5.9,-1.35) 21(-5.9,-2.25) 22(-5.9,-3.15) 23(-5.9,-4.05) 24(-5.9,-4.95) 25(-5.9,-5.85) 37(5.9,-5.85) 38(5.9,-4.95) 39(5.9,-4.05) 40(5.9,-3.15) 41(5.9,-2.25) 42(5.9,-1.35) 43(5.9,-0.45) 44(5.9,0.45) 45(5.9,1.35) 46(5.9,2.25) 47(5.9,3.15) 48(5.9,4.05) 49(5.9,4.95) 50(5.9,5.85)
  Top Layer region: -5,-6 5,-6 5,6 -5,6
  silkscreen extent -6.5,-7.5 6.5,8.5
BGA-64-TC358774XBG [mm] "BGA, 64-Leads, Body 6.00x6.00mmx1.00mm, Pitch 0.62mm"
  round 0.25 smd: A1(-2.17,2.17) A2(-1.55,2.17) A3(-0.93,2.17) A4(-0.31,2.17) A5(0.31,2.17) A6(0.93,2.17) A7(1.55,2.17) A8(2.17,2.17) B1(-2.17,1.55) B2(-1.55,1.55) B3(-0.93,1.55) B4(-0.31,1.55) B5(0.31,1.55) B6(0.93,1.55) B7(1.55,1.55) B8(2.17,1.55) C1(-2.17,0.93) C2(-1.55,0.93) C3(-0.93,0.93) C4(-0.31,0.93) C5(0.31,0.93) C6(0.93,0.93) C7(1.55,0.93) C8(2.17,0.93) D1(-2.17,0.31) D2(-1.55,0.31) D3(-0.93,0.31) D4(-0.31,0.31) D5(0.31,0.31) D6(0.93,0.31) D7(1.55,0.31) D8(2.17,0.31) E1(-2.17,-0.31) E2(-1.55,-0.31) E3(-0.93,-0.31) E4(-0.31,-0.31) E5(0.31,-0.31) E6(0.93,-0.31) E7(1.55,-0.31) E8(2.17,-0.31) F1(-2.17,-0.93) F2(-1.55,-0.93) F3(-0.93,-0.93) F4(-0.31,-0.93) F5(0.31,-0.93) F6(0.93,-0.93) F7(1.55,-0.93) F8(2.17,-0.93) G1(-2.17,-1.55) G2(-1.55,-1.55) G3(-0.93,-1.55) G4(-0.31,-1.55) G5(0.31,-1.55) G6(0.93,-1.55) G7(1.55,-1.55) G8(2.17,-1.55) H1(-2.17,-2.17) H2(-1.55,-2.17) H3(-0.93,-2.17) H4(-0.31,-2.17) H5(0.31,-2.17) H6(0.93,-2.17) H7(1.55,-2.17) H8(2.17,-2.17)
  silkscreen extent -3.77,-3 3,3, body extent -3,-3 3,3, height 1
"C 0402" [mm] "Chip Capacitor, 2-Leads, Body 1.0x0.5mm, IPC Medium Density"
  rect 0.6x0.5 smd mask+0.051: 1(-0.475,0) 2(0.475,0)
  silkscreen extent -0.95,-0.45 0.95,0.45, body extent -0.5,-0.25 0.5,0.25, height 0.6
"C 0603" [mm] "Chip Capacitor, 2-Leads, Body 1.6x0.8mm, IPC Medium Density"
  rect 0.85x0.85 smd mask+0.051: 1(-0.775,0) 2(0.775,0)
  silkscreen extent -1.5,-0.63 1.5,0.63, body extent -0.8,-0.43 0.8,0.43, height 0.81
"C 1206" [mm]
  rect 1.35x1.9 smd: 1(-1.6,0) 2(1.6,0)
  silkscreen extent -2.6,-1.3 2.6,1.3, body extent -1.6,-0.8 1.6,0.8, height 0.6
CAP-ALU-SMD-4.5x5x1.4 [mm]
  rect 2.6x1.6 smd: 1(-1.8,0) 2(1.8,0)
  silkscreen extent -2.15,-2.15 2.15,2.15, body extent -2.5,-2.15 2.5,2.15, height 5.45
CON2 [mil] "CON2"
  rect 75x90 hole 34: 1(0,0)
  oval 75x90 hole 34: 2(100,0)
  silkscreen extent -100,-149 200,140, body extent -68,-70 168,107, height 236
CON3 [mil] "CON 3"
  rect 75x90 hole 34: 1(-5,0)
  oval 75x90 hole 34: 2(100,0) 3(200,0)
  silkscreen extent -100,-150 300,140, body extent -95,-90 295,136, height 276
CON4 [mil] "CON4"
  rect 75x90 hole 34: 1(0,0)
  oval 75x90 hole 34: 2(100,0) 3(200,0) 4(300,0)
  silkscreen extent -100,-150 400,140, body extent -90,-90 398,136, height 276
CONN/IPX/SMD [mm]
  rect 1x1.05 smd: 1(0,-1.525)
  rect 1.05x2.2 smd: 2(1.475,0) 3(-1.475,0)
  silkscreen extent -1.5,-1.52 1.5,1.48, body extent -1.5,-1.55 1.5,1.3, height 1.25
"Crystal 4-SMD 32x25" [mm]
  rrect15% 1.4x1.15 smd: 1(-1.05,-0.775) 2(1.05,-0.775) 3(1.05,0.775) 4(-1.05,0.775)
  silkscreen extent -2.8,-1.6 2,1.6, body extent -1.6,-1.25 1.6,1.25, height 0.81
DC-IN [mil] "Jac DC input"
  rect 100x160 hole 50 slot 100 at 90 deg: 1(125,100) 2(-125,100)
  rect 160x100 hole 50 slot 100 at 0 deg: 3(25,-100)
  silkscreen extent -425,-80 120,250, body extent -410,-105 134,269, height 434
DCK5_N [mm] "SOT353, 5-Leads, Body 2x1.3mm, Pitch 0.65mm, Lead Span 2.1mm, IPC Medium Density"
  rect 0.85x0.4 smd: 1(-0.95,0.65) 2(-0.95,0) 3(-0.95,-0.65) 4(0.95,-0.65) 5(0.95,0.65)
  silkscreen extent -1.07,-1.1 0.15,1.52, body extent -0.7,-1.07 0.7,1.08, height 1.1
DFN1006-2L [mm] "DFN, 2-Leads, Body 0.60x1.00mm, Pitch 0.65mm, IPC Medium Density"
  rect 0.55x0.6 smd: 1(-0.425,0) 2(0.425,0)
  silkscreen extent -1.02,-0.38 0.76,0.38, body extent -0.52,-0.33 0.53,0.32, height 0.5
DIO-SMD-123 [mm]
  rect 0.9x1.2 smd: 1(1.524,0) 2(-1.524,0)
  silkscreen extent -2.16,-1.02 2.16,1.02, body extent -1.76,-0.8 1.94,0.8, height 1.25
FPC-24Pin [mm]
  rect 0.3x1 smd: 1(-5.75,2.525) 2(-5.25,2.525) 3(-4.75,2.525) 4(-4.25,2.525) 5(-3.75,2.525) 6(-3.25,2.525) 7(-2.75,2.525) 8(-2.25,2.525) 9(-1.75,2.525) 10(-1.25,2.525) 11(-0.75,2.525) 12(-0.25,2.525) 13(0.25,2.525) 14(0.75,2.525) 15(1.25,2.525) 16(1.75,2.525) 17(2.25,2.525) 18(2.75,2.525) 19(3.25,2.525) 20(3.75,2.525) 21(4.25,2.525) 22(4.75,2.525) 23(5.25,2.525) 24(5.75,2.525)
  rect 1.65x1.3 smd: MP1(-8.025,0.625) MP2(8.025,0.625)
  silkscreen extent -8,-1.38 8.03,2.02, body extent -8.6,0 8.6,1.2, height 4.55
FPC-30pin [mm]
  rect 0.3x1.3 smd: 1(-7.25,2.15) 2(-6.75,2.15) 3(-6.25,2.15) 4(-5.75,2.15) 5(-5.25,2.15) 6(-4.75,2.15) 7(-4.25,2.15) 8(-3.75,2.15) 9(-3.25,2.15) 10(-2.75,2.15) 11(-2.25,2.15) 12(-1.75,2.15) 13(-1.25,2.15) 14(-0.75,2.15) 15(-0.25,2.15) 16(0.25,2.15) 17(0.75,2.15) 18(1.25,2.15) 19(1.75,2.15) 20(2.25,2.15) 21(2.75,2.15) 22(3.25,2.15) 23(3.75,2.15) 24(4.25,2.15) 25(4.75,2.15) 26(5.25,2.15) 27(5.75,2.15) 28(6.25,2.15) 29(6.75,2.15) 30(7.25,2.15)
  rect 1.8x2.2 smd: 31(-9.15,-1.1) 32(9.15,-1.1)
  silkscreen extent -9.55,-3.4 9.55,3.4, body extent -9.55,0 9.55,2
Header2 [mil] "CON2"
  rect 75x90 hole 34: 1(0,0)
  oval 75x90 hole 34: 2(100,0)
  silkscreen extent -75,-118 175,115, body extent -68,-70 168,107, height 236
Header3 [mil] "CON 3"
  rect 75x90 hole 34: 1(-5,0)
  oval 75x90 hole 34: 2(100,0) 3(200,0)
  silkscreen extent -100,-150 300,140, body extent -95,-90 295,136, height 276
Header6 [mil] "CON6"
  rect 75x90 hole 34: 1(0,0)
  oval 75x90 hole 34: 2(100,0) 3(200,0) 4(300,0) 5(400,0) 6(500,0)
  silkscreen extent -100,-149 600,140
Hed2X5 [mm] "Header 10x2,20 pin, connecter"
  rect 1.5x2 hole 1: 1(0,0)
  oval 1.5x2 hole 1: 2(0,2.54) 3(2.54,0) 4(2.54,2.54) 5(5.08,0) 6(5.08,2.54) 7(7.62,0) 8(7.62,2.54) 9(10.16,0) 10(10.16,2.54)
  silkscreen extent -5.1,-3.81 15.29,5.11, body extent -5.17,-3.33 15.33,5.97, height 8.82
INF-SOT23_N [mm] "SOT23, 3-Leads, Body 2.9x1.3 mm, Pitch 0.95 mm, IPC Medium Density"
  rect 1.05x0.6 smd: 1(-1.15,0.95) 2(-1.15,-0.95) 3(1.15,0)
  silkscreen extent -1.27,-1.5 0.7,1.92, body extent -0.7,-1.5 0.7,1.5, height 1.1
JP9-C1T [mm] "9 row, straight, gold plating"
  rect 1.52x1.52 hole 1.02: 1(-10.16,0)
  round 1.52 hole 1.02: 2(-7.62,0) 3(-5.08,0) 4(-2.54,0) 5(0,0) 6(2.54,0) 7(5.08,0) 8(7.62,0) 9(10.16,0)
  silkscreen extent -11.68,-1.27 11.68,1.27, body extent -11.68,-1.25 11.68,1.25, height 8.51
JP10-D2T [mm] "20 pins, dual pin, straight, gold plating"
  rect 1.6x1.6 hole 1.1: 1(-11.43,-1.27)
  round 1.6 hole 1.1: 2(-8.89,-1.27) 3(-6.35,-1.27) 4(-3.81,-1.27) 5(-1.27,-1.27) 6(1.27,-1.27) 7(3.81,-1.27) 8(6.35,-1.27) 9(8.89,-1.27) 10(11.43,-1.27) 11(11.43,1.27) 12(8.89,1.27) 13(6.35,1.27) 14(3.81,1.27) 15(1.27,1.27) 16(-1.27,1.27) 17(-3.81,1.27) 18(-6.35,1.27) 19(-8.89,1.27) 20(-11.43,1.27)
  silkscreen extent -12.7,-2.54 12.7,2.54, body extent -12.7,-2.54 12.7,2.54, height 8.55
JP15-D2T [mm] "30 pins, dual pin, straight, gold plating"
  rect 1.6x1.6 hole 1.1: 1(-17.78,-1.27)
  round 1.6 hole 1.1: 2(-15.24,-1.27) 3(-12.7,-1.27) 4(-10.16,-1.27) 5(-7.62,-1.27) 6(-5.08,-1.27) 7(-2.54,-1.27) 8(0,-1.27) 9(2.54,-1.27) 10(5.08,-1.27) 11(7.62,-1.27) 12(10.16,-1.27) 13(12.7,-1.27) 14(15.24,-1.27) 15(17.78,-1.27) 16(17.78,1.27) 17(15.24,1.27) 18(12.7,1.27) 19(10.16,1.27) 20(7.62,1.27) 21(5.08,1.27) 22(2.54,1.27) 23(0,1.27) 24(-2.54,1.27) 25(-5.08,1.27) 26(-7.62,1.27) 27(-10.16,1.27) 28(-12.7,1.27) 29(-15.24,1.27) 30(-17.78,1.27)
  silkscreen extent -19.05,-2.54 19.05,2.54, body extent -19.05,-2.54 19.05,2.54, height 8.55
KTest [mm]
  rect 2x1 smd: 1(-2,0) 3(2,0)
  rect 1x1 smd: 2(0,0)
  silkscreen extent -3.15,-0.65 3.15,0.65
L-SMD-D-7.3x7.3 [mm] "SMD Inductor,  4-Leads, Body 7.3x7.3mm (max)"
  rect 1x2.2 smd: 1(0.9,2.65) 2(-0.9,2.65) 3(-0.9,-2.65) 4(0.9,-2.65)
  silkscreen extent -3.85,-4.27 3.85,3.7, body extent -3.65,-3.65 3.65,3.65, height 4.76
L-SMD-M-7.3x4.5 [mm] "WE-PDA SMD Shielded Power Inductor, 7345"
  rect 1.7x2 smd: 1(0,3) 2(0,-3)
  Top Layer keep-out region: -3.65,2 3.65,2 3.65,-2 -3.65,-2
  silkscreen extent -3.65,-3.65 3.65,3.65, body extent -3.65,-3.65 3.65,3.65, height 4.05
L-SMD-M-12x10 [mm] "WE-PDA SMD Shielded Power Inductor, 1210"
  rect 5.4x3 smd: 1(0,4.9) 2(0,-4.9)
  Top Layer keep-out region: -6,-3.4 6,-3.4 6,3.4 -6,3.4
  silkscreen extent -6,-6 6,6, body extent -6,-6 6,6, height 9.7
L/0.4 [mil] "Inductor , 2 Pin, L 350mil, W 150 mil"
  round 80 hole 31: 1(0,0) 2(350,0)
  silkscreen extent 40,-65 310,65
LQFP48_N [mm] "QFP, 48-Leads, Body 7x7mm, Pitch 0.5mm, IPC Medium Density"
  oval 1.8x0.3 smd: 1(-4.05,2.75) 2(-4.05,2.25) 3(-4.05,1.75) 4(-4.05,1.25) 5(-4.05,0.75) 6(-4.05,0.25) 7(-4.05,-0.25) 8(-4.05,-0.75) 9(-4.05,-1.25) 10(-4.05,-1.75) 11(-4.05,-2.25) 12(-4.05,-2.75) 25(4.05,-2.75) 26(4.05,-2.25) 27(4.05,-1.75) 28(4.05,-1.25) 29(4.05,-0.75) 30(4.05,-0.25) 31(4.05,0.25) 32(4.05,0.75) 33(4.05,1.25) 34(4.05,1.75) 35(4.05,2.25) 36(4.05,2.75)
  oval 0.3x1.8 smd: 13(-2.75,-4.05) 14(-2.25,-4.05) 15(-1.75,-4.05) 16(-1.25,-4.05) 17(-0.75,-4.05) 18(-0.25,-4.05) 19(0.25,-4.05) 20(0.75,-4.05) 21(1.25,-4.05) 22(1.75,-4.05) 23(2.25,-4.05) 24(2.75,-4.05) 37(2.75,4.05) 38(2.25,4.05) 39(1.75,4.05) 40(1.25,4.05) 41(0.75,4.05) 42(0.25,4.05) 43(-0.25,4.05) 44(-0.75,4.05) 45(-1.25,4.05) 46(-1.75,4.05) 47(-2.25,4.05) 48(-2.75,4.05)
  silkscreen extent -4.17,-2.75 2.75,3.57, body extent -4.51,-4.51 4.51,4.51, height 1.6